# KiCad board USB_panel.kicad_pcb (continued)
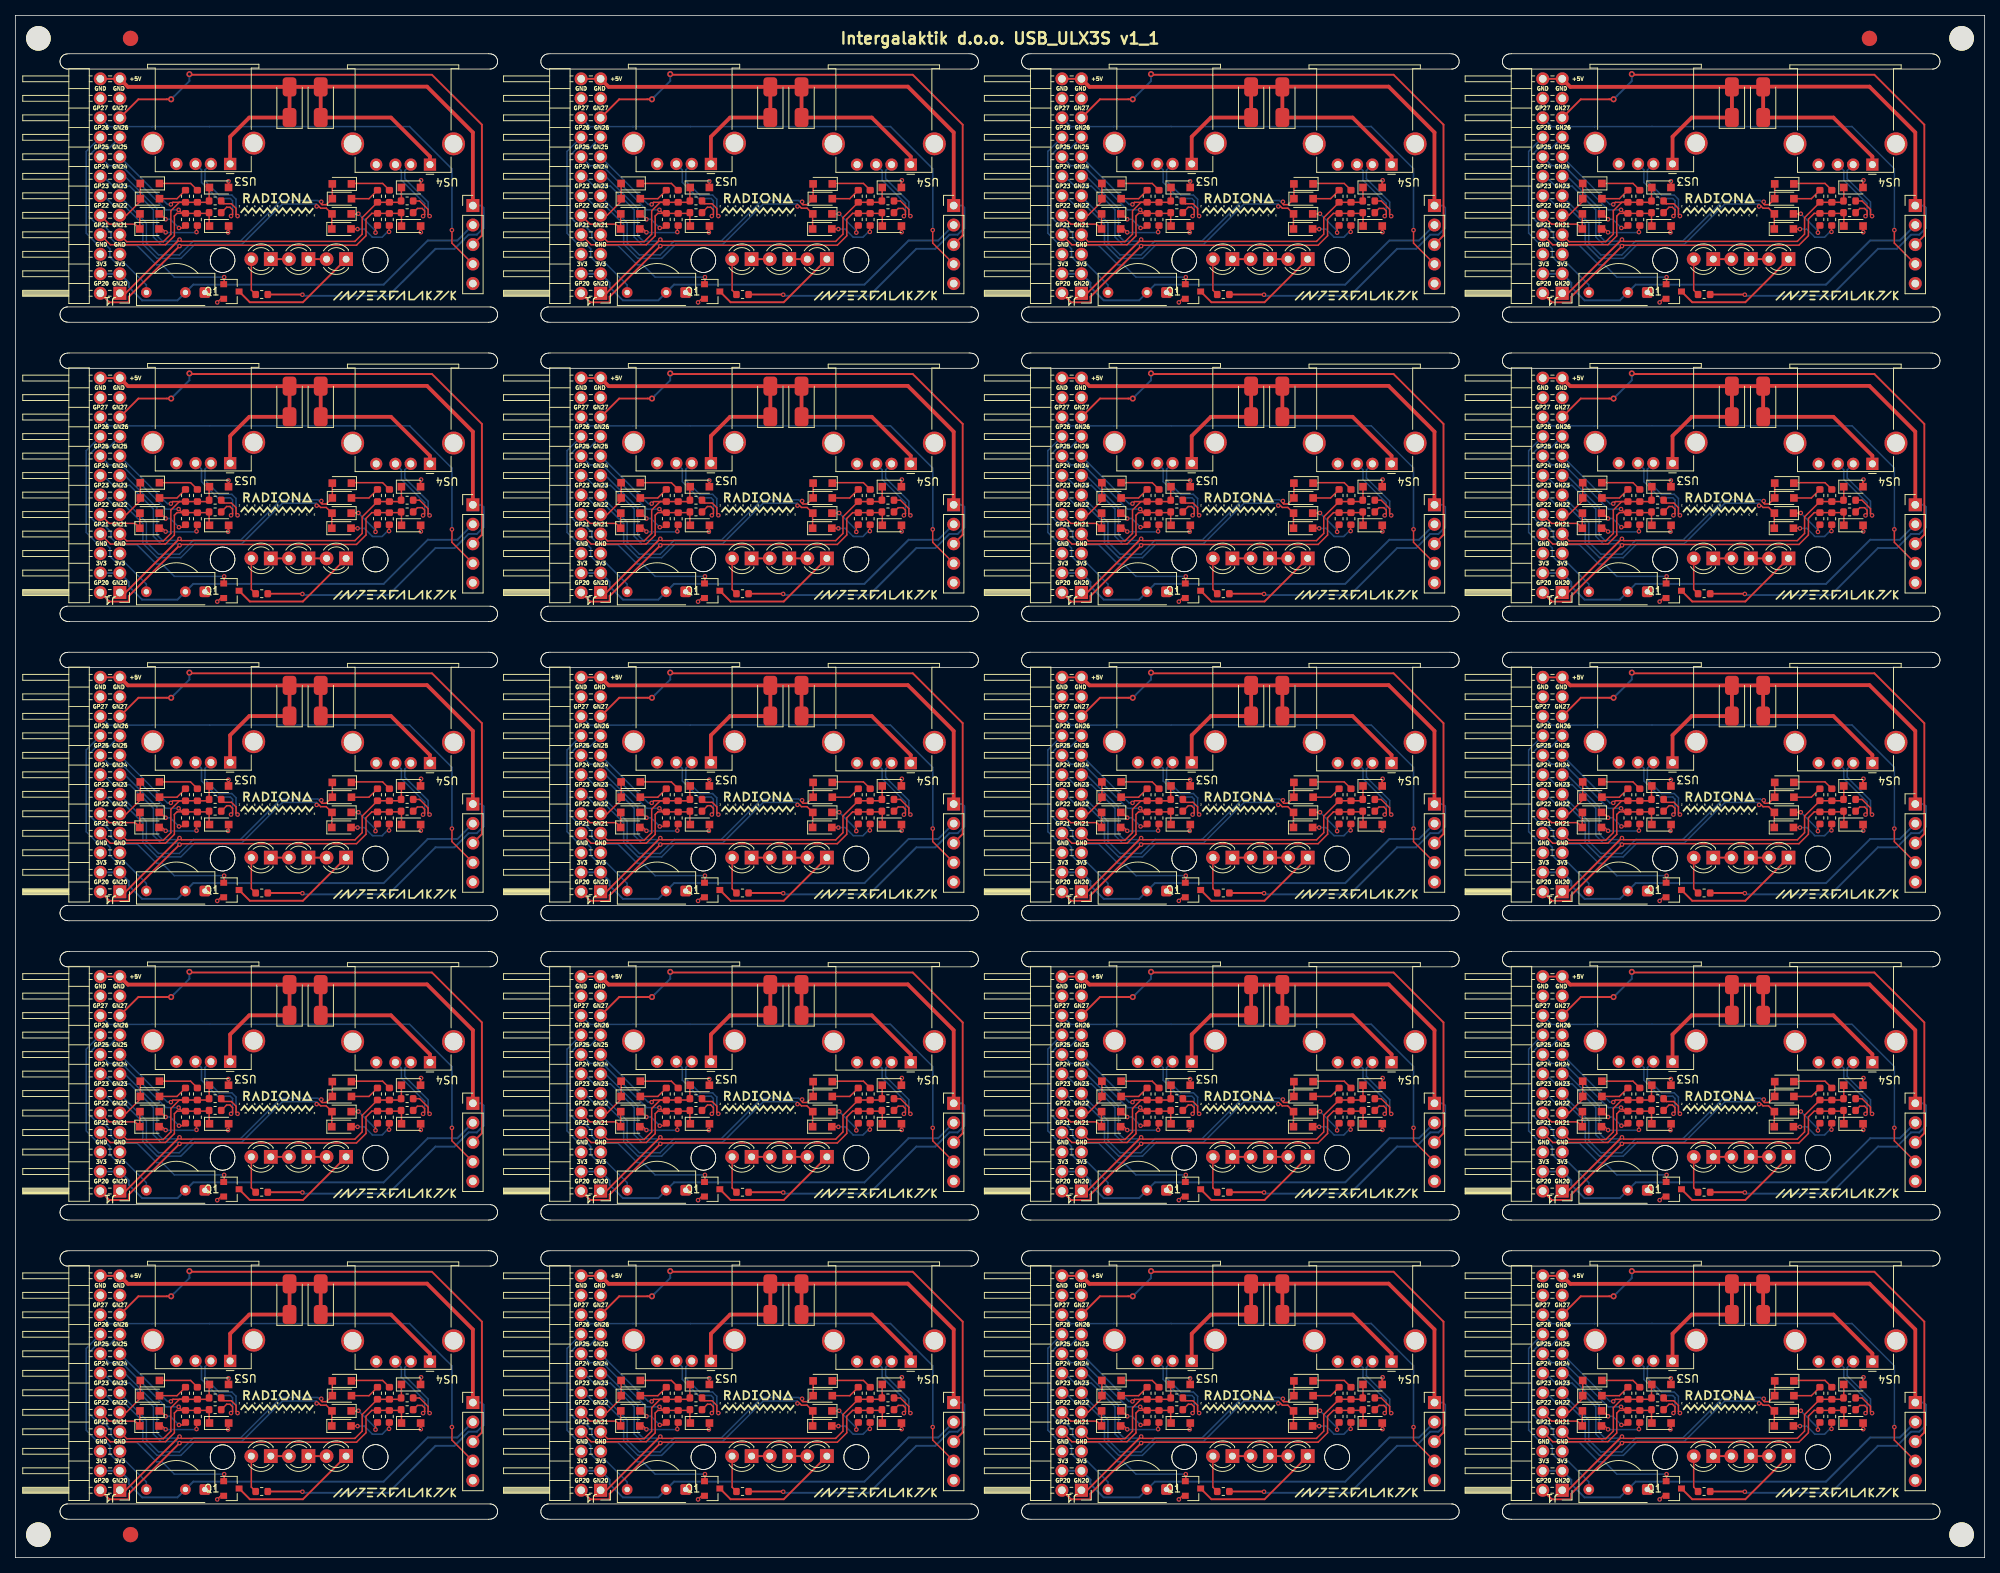
[diagram p0: board, top side]
## Routing (per net, layer and track width the routed paths; a pad name or vN(x,y) marks a point on that pad's centre or on a via; arc(x,y) is an arc through that point) (continued)
Board_19-/FPD2-: length 12.4
  Top w0.2: R11#15.2 240.47,20.81 241.58,19.7 241.58,19.03 v1(241.78,18.83) ; 238.62,25.73 239.07,26.18
  Bottom w0.2: v1(241.78,18.83) 241.58,19.03 241.58,20.67 238.55,23.7 238.55,24.77 US4#17.2
Board_19-GN26: length 35.1
  Top w0.2: v1(215.02,10.88) 215.02,10.02 Q1#9.1
  Bottom w0.2: J1#16.17 200.04,27.71 198.42,27.71 197.46,26.75 197.46,18.75 198.66,17.55 199.4,17.55 200.28,16.66 200.28,15.92 201.2,15.01 203.68,15.01 206.2,12.49 206.92,12.49 208.53,10.88 v1(215.02,10.88)
Board_19-GN27: length 68.9
  Top w0.25: v2(208.12,34.05) 203.85,34.05 201.43,31.64 ; J2#4.3 248.58,16.3 248.58,30.74 242.08,37.25 210.58,37.25 v2(210.5,37.33)
  Bottom w0.25: v2(208.12,34.05) 210.5,36.43 v2(210.5,37.33)
Board_19-GND: length 4.8
  Top w0.2: D7.2 215.59,23.35 v1(215.58,23.37) ; Q1#9.2 214.59,8.06 v1(214.12,7.59) ; D5#20.2 215.61,16.79 v1(215.53,16.71)
  Top w0.25: v1(240.63,16.74) 240.61,16.76 D12#6.2 ; v1(240.66,23.5) 240.59,23.44 D14#20.2
  Bottom w0.5: 231.5,28.89 231.86,28.89
Board_19-GP26: length 25.5
  Bottom w0.2: U1#16.3 204.89,9.87 202.15,12.61 201.06,12.61 200.14,13.53 200.14,14.57 199.56,15.15 198.52,15.15 197.06,16.61 197.06,27.26 J1#16.18
Board_19-GP27: length 62.1
  Top w0.2: J2#4.4 244.68,15.32 v1(244.68,17.01)
  Bottom w0.2: 198.89,31.64 200.04,30.49 205.64,30.49 205.65,30.5 239.17,30.5 244.68,24.99 v1(244.68,17.01)
Board_19-Net-(D1-K): length 4.3
  Top w0.2: D1#7.1 206.7,19.12 v1(207.4,18.42) ; R1#13.1 209.66,17.29 v1(209.13,17.29)
  Bottom w0.2: v1(207.4,18.42) 208,18.42 v1(209.13,17.29)
Board_19-Net-(D2-A): length 6
  Top w0.2: v1(211.42,16.75) 211.42,17.49 R2#12.1 ; D2#15.2 206.96,17.16 v1(207.4,16.72)
  Bottom w0.2: v1(211.42,16.75) 211.36,16.69 207.43,16.69 v1(207.4,16.72)
Board_19-Net-(D3-K): length 5.3
  Top w0.2: R3#4.2 210.65,23.09 D3#17.1
Board_19-Net-(D4-A): length 3.8
  Top w0.2: R4#13.1 208.88,21.1 D4#7.2
Board_19-Net-(D8-K): length 5.4
  Top w0.2: v1(234.73,16.68) 234.73,17.36 R7#8.1 ; v1(232.5,19.14) 232.48,19.12 D8#3.1
  Bottom w0.2: v1(232.5,19.14) 234.73,16.91 v1(234.73,16.68)
Board_19-Net-(D9-A): length 6.5
  Top w0.2: D9#15.2 232.37,17.16 v1(232.39,17.14) ; R8#3.1 236.49,17.56 v1(236.49,16.78)
  Bottom w0.2: v1(232.39,17.14) 233.28,17.14 234.34,16.08 235.59,16.08 236.29,16.78 v1(236.49,16.78)
Board_19-Net-(D10-K): length 5.3
  Top w0.2: R9#12.2 235.66,23.09 231.6,23.09
Board_19-Net-(D11-A): length 3.8
  Top w0.2: D11#3.2 233.88,21.1 R10#20.1
Board_19-Net-(D15-A): length 4.8
  Top w0.2: R13.2 218.56,9.19 D15#4.2
Board_19-Net-(D15-K): length 2.4
  Top w0.25: D15#4.1 D16#19.2
Board_19-Net-(D16-K): length 2.4
  Top w0.25: D16#19.1 D17#8.2
Board_19-Net-(D17-K): length 16.8
  Top w0.25: D17#8.1 225.28,7.61 218.36,7.61 Q1#9.3
Board_19-USB1_FPGA_D+: length 33.9
  Top w0.2: R1#13.2 209.55,19.19 v1(209.09,19.65) ; R1#13.2 208.88,19.19 208.53,18.84 208.53,16.25 207.38,15.1 200.19,15.1 J1#16.8 ; R1#13.2 212.97,19.19 R6#9.1 213.06,17.59 D5#20.1
  Bottom w0.2: v1(209.09,19.65) 207.43,19.65 201.67,25.41 200.04,25.41 J1#16.16
Board_19-USB1_FPGA_D-: length 29
  Top w0.2: R4#13.2 209.19,20.63 208.09,19.53 208.09,16.48 207.1,15.5 202.33,15.5 J1#16.7 ; R4#13.2 208.35,20.63 v1(208.08,20.36) ; R4#13.2 211.53,20.63 R3#4.1 212.88,20.63 R5#17.1 213.06,22.53 D7.1
  Bottom w0.2: J1#16.15 207.63,20.36 v1(208.08,20.36)
Board_19-USB1_FPGA_PULL_D+: length 7.9
  Top w0.2: J1#16.10 200.04,17.79 203.41,17.79 D2#15.1 204.04,19.1 D1#7.2
Board_19-USB1_FPGA_PULL_D-: length 5.8
  Top w0.2: J1#16.9 202.29,18.94 204.1,20.75 D4#7.1 D3#17.2
Board_19-USB2_FPGA_D+: length 64.1
  Top w0.2: v1(209.21,14.92) 209.33,15.04 232.26,15.04 233.49,16.28 233.49,18.43 234.25,19.19 R7#8.2 237.97,19.19 R12#7.1 238.11,19.23 D12#6.1
  Top w0.25: v1(209.21,14.92) 202.61,8.32 202.61,7.6 200.07,7.6 J1#16.2
  Bottom w0.2: v1(209.21,14.92) 209.01,15.12 206.79,15.12 205.81,16.11 205.81,19.66 202.72,22.74 200.56,22.74 199.73,23.57 199.34,23.57 J1#16.14
Board_19-USB2_FPGA_D-: length 58.3
  Top w0.2: D14#20.1 238.09,20.84 R11#15.1 237.89,20.63 R10#20.2 232.99,18.64 232.99,16.48 232.05,15.54 209.44,15.54 v1(209.21,15.78)
  Top w0.25: v1(209.21,15.78) 209.18,15.78 202.18,8.78 J1#16.1
  Bottom w0.2: J1#16.13 202.08,24.02 206.25,19.84 206.25,16.29 206.97,15.58 209.01,15.58 v1(209.21,15.78)
Board_19-USB2_FPGA_PULL_D+: length 40.7
  Top w0.2: D9#15.1 229.04,19.1 D8#3.2 228.32,19.86 227.59,19.86 227.35,20.1 v1(227.07,20.1)
  Bottom w0.2: 198.89,21.48 199.33,21.48 200.6,20.21 201.98,20.21 204.44,17.75 204.44,15.18 206.29,13.33 209.37,13.33 211.2,15.16 217.34,15.16 222.6,20.41 227.04,20.41 227.07,20.38 v1(227.07,20.1)
Board_19-USB2_FPGA_PULL_D-: length 38.1
  Top w0.2: v1(227.67,20.7) 227.67,20.42 227.77,20.32 228.32,20.32 D11#3.1 229.1,23.09
  Bottom w0.2: 201.43,21.48 201.43,21.4 204.88,17.95 204.88,15.36 206.47,13.78 209.19,13.78 211.02,15.6 217.16,15.6 222.42,20.87 227.22,20.87 227.39,20.7 v1(227.67,20.7)

## Copper pours and planes (outline as drawn; the poured copper is in the pictures)
(no net) on Top: 0,200.93 0,0.01 0.01,0 256.43,0 256.44,0.01 256.44,200.93 256.43,200.94 0.01,200.94 ; 20 cut-outs
(no net) on Bottom: 0,200.93 0,0.01 0.01,0 256.43,0 256.44,0.01 256.44,200.93 256.43,200.94 0.01,200.94 ; 20 cut-outs
Board_0-GND on In1.Cu: 6.99,193.93 61.62,193.93 61.62,162.95 6.99,162.95
Board_0-GND on In2.Cu: 7.02,193.93 61.62,193.93 61.62,162.95 7.02,162.95
Board_1-GND on In1.Cu: 69.6,193.93 124.23,193.93 124.23,162.95 69.6,162.95
Board_1-GND on In2.Cu: 69.63,193.93 124.23,193.93 124.23,162.95 69.63,162.95
Board_2-GND on In1.Cu: 132.21,193.93 186.84,193.93 186.84,162.95 132.21,162.95
Board_2-GND on In2.Cu: 132.24,193.93 186.84,193.93 186.84,162.95 132.24,162.95
Board_3-GND on In1.Cu: 194.82,193.93 249.45,193.93 249.45,162.95 194.82,162.95
Board_3-GND on In2.Cu: 194.85,193.93 249.45,193.93 249.45,162.95 194.85,162.95
Board_4-GND on In1.Cu: 6.99,154.94 61.62,154.94 61.62,123.97 6.99,123.97
Board_4-GND on In2.Cu: 7.02,154.94 61.62,154.94 61.62,123.97 7.02,123.97
Board_5-GND on In1.Cu: 69.6,154.94 124.23,154.94 124.23,123.97 69.6,123.97
Board_5-GND on In2.Cu: 69.63,154.94 124.23,154.94 124.23,123.97 69.63,123.97
Board_6-GND on In1.Cu: 132.21,154.94 186.84,154.94 186.84,123.97 132.21,123.97
Board_6-GND on In2.Cu: 132.24,154.94 186.84,154.94 186.84,123.97 132.24,123.97
Board_7-GND on In1.Cu: 194.82,154.94 249.45,154.94 249.45,123.97 194.82,123.97
Board_7-GND on In2.Cu: 194.85,154.94 249.45,154.94 249.45,123.97 194.85,123.97
Board_8-GND on In1.Cu: 6.99,115.95 61.62,115.95 61.62,84.98 6.99,84.98
Board_8-GND on In2.Cu: 7.02,115.95 61.62,115.95 61.62,84.98 7.02,84.98
Board_9-GND on In1.Cu: 69.6,115.95 124.23,115.95 124.23,84.98 69.6,84.98
Board_9-GND on In2.Cu: 69.63,115.95 124.23,115.95 124.23,84.98 69.63,84.98
Board_10-GND on In1.Cu: 132.21,115.95 186.84,115.95 186.84,84.98 132.21,84.98
Board_10-GND on In2.Cu: 132.24,115.95 186.84,115.95 186.84,84.98 132.24,84.98
Board_11-GND on In1.Cu: 194.82,115.95 249.45,115.95 249.45,84.98 194.82,84.98
Board_11-GND on In2.Cu: 194.85,115.95 249.45,115.95 249.45,84.98 194.85,84.98
Board_12-GND on In1.Cu: 6.99,76.97 61.62,76.97 61.62,45.99 6.99,45.99
Board_12-GND on In2.Cu: 7.02,76.97 61.62,76.97 61.62,45.99 7.02,45.99
Board_13-GND on In1.Cu: 69.6,76.97 124.23,76.97 124.23,45.99 69.6,45.99
Board_13-GND on In2.Cu: 69.63,76.97 124.23,76.97 124.23,45.99 69.63,45.99
Board_14-GND on In1.Cu: 132.21,76.97 186.84,76.97 186.84,45.99 132.21,45.99
Board_14-GND on In2.Cu: 132.24,76.97 186.84,76.97 186.84,45.99 132.24,45.99
Board_15-GND on In1.Cu: 194.82,76.97 249.45,76.97 249.45,45.99 194.82,45.99
Board_15-GND on In2.Cu: 194.85,76.97 249.45,76.97 249.45,45.99 194.85,45.99
Board_16-GND on In1.Cu: 6.99,37.98 61.62,37.98 61.62,7 6.99,7
Board_16-GND on In2.Cu: 7.02,37.98 61.62,37.98 61.62,7 7.02,7
Board_17-GND on In1.Cu: 69.6,37.98 124.23,37.98 124.23,7 69.6,7
Board_17-GND on In2.Cu: 69.63,37.98 124.23,37.98 124.23,7 69.63,7
Board_18-GND on In1.Cu: 132.21,37.98 186.84,37.98 186.84,7 132.21,7
Board_18-GND on In2.Cu: 132.24,37.98 186.84,37.98 186.84,7 132.24,7
Board_19-GND on In1.Cu: 194.82,37.98 249.45,37.98 249.45,7 194.82,7
Board_19-GND on In2.Cu: 194.85,37.98 249.45,37.98 249.45,7 194.85,7

## Text on the board
B.Silkscreen: GP27 | GP26 | GP25 | GP24 | GP23 | GP22 | GP21 | GP20 | +5V | GND | 3V3 | GN21 | GN27 | GN26 | GN25 | GN24 | GN23 | GN22 | GN20
User.Comments: V-CUT
F.Silkscreen: GND | GP27 | GP26 | GP25 | GP24 | GP23 | GP22 | GP21 | 3V3 | GP20 | GN27 | GN25 | GN24 | GN23 | GN22 | GN21 | GN20 | GN26 | +5V | Intergalaktik d.o.o. USB_ULX3S v1_1
